# Altium PCB ESC_type_4_000.PcbDoc (part 3 of 3)
Units mil, origin at the board's own origin, x right, y up, seen from the top; angles counter-clockwise.
Board outline 2362.34 x 2362.34 mil, 4 copper layers (Top Layer, Signal Layer 1, Signal Layer 2, Bottom Layer), stack 65.634 mil thick; 132 components, 95 nets, 493 pads, 625 vias.
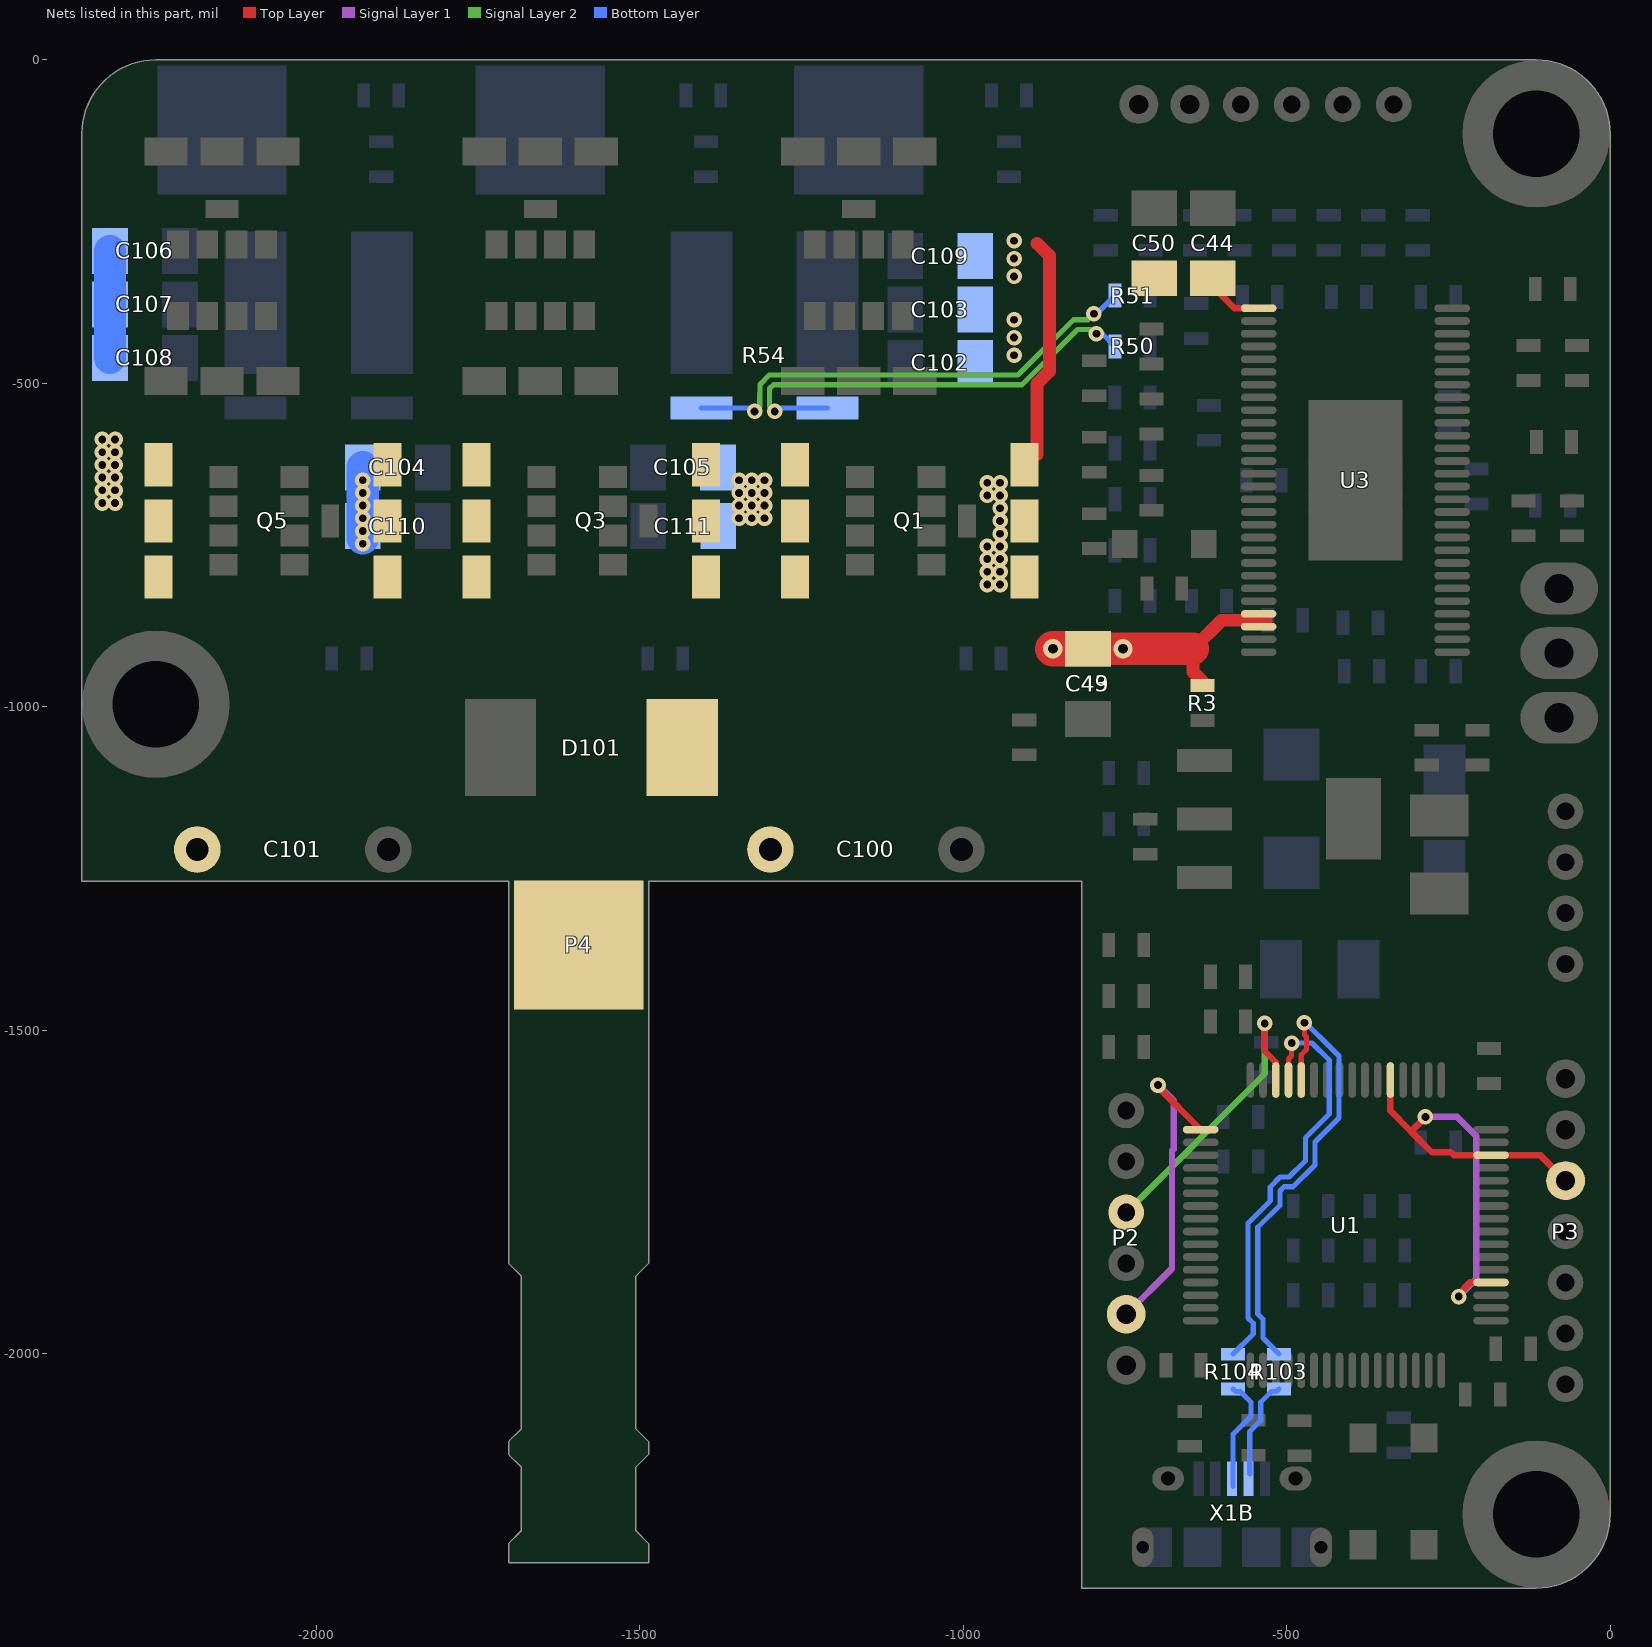
[diagram p5: the nets of this part, all layers, seen from the top]

## Via types
v1: diameter 24, hole 12, Top Layer to Bottom Layer, tented both sides, 613 vias
v2: diameter 30, hole 15, Top Layer to Bottom Layer, tented both sides, 10 vias
v3: diameter 50, hole 12, Top Layer to Bottom Layer, tented both sides, 2 vias

## Nets (pads, with @x,y where several pads share a name; then routed paths per layer and width w, separated by ;. In a path a pad name is that pad's centre, name@x,y a point inside that pad or via, vN(x,y) a via of type N, cw(c..) or ccw(c..) an arc to the next point about the centre after c; other vN are vias at no path point) (continued)
SH2_N: R51.2 R54.3 | length 735.5
  Signal Layer 2 w8: v1(-1322.34,-543.31) -1314.34,-535.31 -1314.34,-515.87 -1314.21,-515.75 -1314.21,-501.66 -1299.61,-487.06 -915.16,-487.06 -829.68,-401.57 -807.28,-401.57 v1(-797.93,-392.23)
  Bottom Layer w8: R54.3@-1404.72,-538.09 -1327.56,-538.09 v1(-1322.34,-543.31) ; v1(-797.93,-392.23) -793.24,-392.23 R51.2@-765.19,-364.17
SH2_P: R50.2 R54.4 | length 705.5
  Signal Layer 2 w8: v1(-1291.34,-543.31) -1299.21,-535.43 -1299.21,-507.87 -1293.39,-502.06 -908.94,-502.06 -823.46,-416.57 -800.61,-416.57 v1(-793.96,-423.23)
  Bottom Layer w8: v1(-1291.34,-543.31) -1286.12,-538.09 R54.4@-1209.45,-538.09 ; v1(-793.96,-423.23) -784.87,-423.23 R50.2@-765.19,-442.91
SWCLK: P2.2 U1.49 | length 490.8
  Top Layer w10: v1(-698.82,-1584.65) -698.82,-1587.6 U1.49@-632.87,-1653.54
  Signal Layer 1 w10: P2.2@-748.03,-1938.98 -677.18,-1868.12 -677.18,-1686.25 -674.82,-1683.89 -674.82,-1608.65 v1(-698.82,-1584.65)
SWDIO: P2.4 U1.46 | length 475.2
  Top Layer w10: v1(-533.7,-1489.43) -533.7,-1532.51 -516.73,-1549.48 U1.46@-516.73,-1576.77
  Signal Layer 2 w10: P2.4@-748.03,-1781.5 -533.7,-1567.17 v1(-533.7,-1489.43)
TX_SDA_NSS: P3.5 U1.20 U1.30 U1.37 | length 803.1
  Top Layer w10: U1.37@-339.57,-1576.77 -339.57,-1624.52 -310.55,-1653.54 ; v1(-285.43,-1633.86) -307.83,-1656.26 -275.49,-1688.6 -245.96,-1688.6 -241.65,-1692.91 U1.30@-184.06,-1692.91 -108.27,-1692.91 P3.5@-68.9,-1732.28 ; v1(-234.01,-1911.66) -234.01,-1907.24 -216.54,-1889.76 U1.20@-184.06,-1889.76
  Signal Layer 1 w10: v1(-285.43,-1633.86) -236.22,-1633.86 -206.69,-1663.39 -206.69,-1884.33 v1(-234.01,-1911.66)
USB_D_N: R103.2 U1.44 | length 698.8
  Top Layer w8: U1.44@-477.36,-1576.77 -477.36,-1537.83 -469.12,-1529.59 -469.12,-1510.16 -472.44,-1506.84 v1@-472.44,-1491.87
  Bottom Layer w8: R103.2@-511.81,-2000.56 -536.64,-1975.73 -536.64,-1946.67 -544.65,-1938.66 -544.65,-1804.5 -510.45,-1770.29 -510.45,-1748.4 -504,-1741.96 -489.99,-1741.96 -456.07,-1708.04 -456.07,-1672.61 -419.24,-1635.77 -419.24,-1539.74 -443.91,-1515.07 -456.01,-1502.96 -470.79,-1488.19 v1(-472.44,-1488.19)
USB_D_P: R104.2 U1.45 | length 658.9
  Top Layer w8: U1.45@-497.05,-1576.77 -497.05,-1544.29 -492.36,-1539.61 -492.36,-1531.61 -492.13,-1531.38 v1(-492.12,-1519.68)
  Bottom Layer w8: R104.2@-582.68,-2000.56 -551.64,-1969.52 -551.64,-1952.89 -559.65,-1944.87 -559.65,-1798.28 -525.45,-1764.08 -525.45,-1742.19 -510.22,-1726.96 -496.2,-1726.96 -471.07,-1701.83 -471.07,-1666.39 -434.24,-1629.56 -434.24,-1545.95 -460.57,-1519.62 -460.63,-1519.68 v1(-492.12,-1519.68)
USB_N: R103.1 X1B.2 | length 154.8
  Bottom Layer w8: X1B.2@-557.09,-2185.93 -557.09,-2120.08 -540.12,-2103.11 -540.12,-2074.8 -523.87,-2058.56 -515.81,-2058.56 R103.1@-511.81,-2054.56
USB_P: R104.1 X1B.3 | length 177.3
  Bottom Layer w8: X1B.3@-582.68,-2204.72 -582.68,-2124.46 -555.12,-2096.9 -555.12,-2074.8 -571.36,-2058.56 -578.68,-2058.56 R104.1@-582.68,-2054.56
VBATT: C43.2 C44.2 C49.1 C50.1 C100.1 C101.1 C102.1 C103.1 C104.1 C105.1 C106.1 C107.1 C108.1 C109.1 C110.1 C111.1 D101.K P4.1 Q1.D Q3.D Q5.D R3.2 U3.29 U3.53 U3.54 | length 1207.1
  Top Layer w10: C44.2@-625,-334.65 -625,-339.57 -580.71,-383.86 U3.29@-543.31,-383.86
  Top Layer w20: Q1.D@-885.83,-610.24 -885.83,-500.42 -866.86,-481.45 -866.86,-302.43 -885.83,-283.46 ; R3.2@-629.92,-960.63 -644.69,-945.87 -644.69,-910.43 -600.39,-866.14 -531.5,-866.14
  Top Layer w50: C49.1@-779.53,-910.43 -644.69,-910.43
  Top Layer w55: v2(-861.22,-910.43) C49.1@-807.09,-910.43
  Bottom Layer w30: v2(-861.22,-910.43) C43.2@-807.09,-910.43 v2(-752.95,-910.43)
  Bottom Layer w50: C108.1@-2318.9,-460.63 C107.1@-2318.9,-377.95 C106.1@-2318.9,-295.28 ; C110.1@-1928.15,-739.17 v1(-1928.15,-728.35) C110.1@-1928.15,-720.47 v1(-1928.15,-708.66) v1(-1928.15,-688.98) v1(-1928.15,-669.29) v1(-1928.15,-649.61) C104.1@-1928.15,-629.92
  other v1: -962.6,-811.02 -942.91,-811.02 -962.6,-791.34 -942.91,-791.34 -962.6,-771.65 -942.91,-771.65 -962.6,-751.97 -942.91,-751.97 -1928.15,-748.03 -942.91,-732.28 -942.91,-712.6 -1346.46,-708.66 -1326.77,-708.66 -1307.09,-708.66 -942.91,-692.91 -1346.46,-688.98 -1326.77,-688.98 -1307.09,-688.98 -2330.71,-685.04 -2311.02,-685.04 -962.6,-673.23 -942.91,-673.23 -1346.46,-669.29 -1326.77,-669.29 -1307.09,-669.29 -2330.71,-665.35 -2311.02,-665.35 -962.6,-653.54 -942.91,-653.54 -1346.46,-649.61 -1326.77,-649.61 -1307.09,-649.61 -2330.71,-645.67 -2311.02,-645.67 -2330.71,-625.98 -2311.02,-625.98 -2330.71,-606.3 -2311.02,-606.3 -2330.71,-586.61 -2311.02,-586.61 -921.26,-456.69 -921.26,-429.13 -921.26,-401.57 -921.26,-334.65 -921.26,-307.09 -921.26,-279.53
pads on no net: M1.1 M2.1 M3.1 P2.6 U1.2 U1.3 U1.4 U1.9 U1.11 U1.28 U1.39 U1.40 U1.50 U1.54 U1.55 U1.56 U3.4 U3.5 U3.55 U3.56 X1B.4

## Polygon pours and split planes (outlines as drawn)
VBATT on Top Layer "VBATT BOT" (solid, remove dead copper, pour order 82): -2350.39,-559.06 -2350.39,-1275.59 -2338.58,-1287.4 -1716.54,-1287.4 -1716.54,-1503.94 -1712.6,-1507.87 -1708.66,-1511.81 -1381.89,-1511.81 -1088.58,-1511.81 -846.46,-1269.68 -846.46,-610.24 -897.64,-559.06
GND on Top Layer "GND_L01_P042" (solid, remove dead copper, pour order 78): 0,0 0,-2362.2 -818.9,-2362.2 -818.9,0
H1_VS on Top Layer "VBATT BOT" (solid, pour order 81): -1358.27,-7.87 -1358.27,-236.22 -1358.27,-562.99 -1248.03,-562.99 -1220.47,-590.55 -1220.47,-826.77 -984.25,-826.77 -984.25,-511.81 -984.25,-177.17 -1003.94,-157.48 -1015.75,-145.67 -1015.75,-7.87
VBATT on Top Layer "Top Layer-No Net" (solid, pour order 107): -515.75,-850.39 -515.75,-881.89 -578.74,-881.89 -610.24,-913.39 -610.24,-980.31 -732.28,-980.31 -779.53,-933.07 -779.53,-850.39
H2_VS on Top Layer "VBATT BOT" (solid, pour order 73): -1370.08,-7.87 -1925.2,-7.87 -1925.2,-511.81 -1925.2,-559.06 -1716.54,-559.06 -1716.54,-807.09 -1503.94,-807.09 -1503.94,-637.79 -1425.2,-559.06 -1370.08,-559.06
NetC102_2 on Top Layer "NETC106_2_L01_P002" (solid, remove dead copper, pour order 75): -1248.03,-259.84 -1251.97,-259.84 -1251.97,-464.57 -1070.87,-464.57 -1070.87,-259.84 -1074.8,-259.84
NetC106_2 on Top Layer "NETC106_2_L01_P002" (solid, remove dead copper, pour order 74): -2232.28,-259.84 -2236.22,-259.84 -2236.22,-464.57 -2055.12,-464.57 -2055.12,-259.84 -2059.06,-259.84
H3_VS on Top Layer "VBATT BOT" (solid, remove dead copper, pour order 80): -1968.5,-19.68 -1968.5,-807.09 -2145.67,-807.09 -2177.17,-807.09 -2177.17,-555.12 -2342.52,-555.12 -2350.39,-555.12 -2350.39,-102.36 -2433.1,-43.34 -2362.27,51.18 -2259.84,-11.81 -2118.11,-11.81 -1968.5,-11.81
GND on Bottom Layer "GND_L04_P038" (solid, remove dead copper, pour order 76): 0,0 0,-2362.2 -818.9,-2362.2 -818.9,0
H1_VS on Bottom Layer "VBATT BOT" (solid, pour order 71): -984.25,-7.87 -1338.58,-7.87 -1338.58,-244.09 -1338.58,-248.03 -1161.42,-248.03 -984.25,-248.03 -984.25,-244.09
H2_VS on Bottom Layer "VBATT BOT" (solid, pour order 72): -1476.38,-7.87 -1830.71,-7.87 -1830.71,-244.09 -1830.71,-248.03 -1653.54,-248.03 -1476.38,-248.03 -1476.38,-244.09
GND on Bottom Layer "VBATT BOT" (solid, remove dead copper, pour order 87): -1354.33,-259.84 -1948.82,-259.84 -1948.82,-484.25 -1948.82,-511.81 -1870.08,-511.81 -1870.08,-960.63 -2389.76,-960.63 -2409.45,-980.31 -2421.26,-992.13 -2421.26,-1299.21 -2003.94,-1299.21 -1755.91,-1547.24 -1736.22,-1527.56 -929.13,-1527.56 -929.13,-1354.33 -846.46,-1271.65 -846.46,-992.13 -1020.36,-992.13 -1035.43,-977.05 -1354.33,-977.05
H3_VS on Bottom Layer "VBATT BOT" (solid, remove dead copper, pour order 84): -1968.5,-7.87 -2255.91,-7.87 -2442.1,54.15 -2350.39,-948.82 -1968.5,-948.82 -1968.5,-681.1 -1968.5,-255.91
H1_VS on Bottom Layer "VBATT BOT" (solid, pour order 91): -984.25,-198.64 -984.25,-940.94 -1338.58,-940.94 -1338.58,-194.71
VBATT on Signal Layer 2 "VBATT_L03_P103" (solid, remove dead copper, pour order 103): -2350.39,-1259.84 -2350.39,-637.8 -826.77,-637.8 -830.71,-641.73 -830.71,-1259.84
GND on Signal Layer 2 "GND_L03_P040" (solid, remove dead copper, pour order 77): 0,0 0,-2362.2 -818.9,-2362.2 -818.9,0
H3_VS on Signal Layer 2 "H3_VS_L03_P097" (solid, remove dead copper, pour order 97): -2283.46,-255.91 -2106.3,-255.91 -2039.37,-188.98 -2039.37,-106.3 -2039.37,-19.68 -2244.09,-19.68 -2464.57,19.68 -2464.57,-137.79 -2346.46,-255.91
H3_VS on Signal Layer 2 "H3_VS_L03_P093" (solid, remove dead copper, pour order 93): -2346.46,-203.74 -1969.49,-203.74 -1969.5,-799.21 -2346.46,-799.21
GND on Signal Layer 1 "GND_L02_P044" (solid, remove dead copper, pour order 79): 0,0 0,-2362.2 -818.9,-2362.2 -818.9,0
H1_VS on Signal Layer 1 "Bottom Layer-No Net" (solid, remove dead copper, pour order 105): -1330.71,-291.34 -1003.94,-291.34 -1003.94,-507.87 -1007.87,-511.81 -1330.71,-511.81
H3_VS on Signal Layer 1 "H3_VS_L02_P095" (solid, remove dead copper, pour order 95): -2346.46,-255.91 -2244.09,-255.91 -2244.09,-484.25 -2240.16,-488.19 -2051.18,-488.19 -2051.18,-799.21 -2346.46,-799.21
H3_VS on Signal Layer 1 "H3_VS_L02_P099" (solid, remove dead copper, pour order 99): -2283.46,-255.91 -2106.3,-255.91 -2039.37,-188.98 -2039.37,-106.3 -2039.37,-19.68 -2244.09,-19.68 -2407.48,45.28 -2472.44,-106.3 -2346.46,-255.91
GND on Signal Layer 1 "GND_L02_P101" (solid, remove dead copper, pour order 101): -2126.97,-1259.84 -925.2,-1259.84 -925.2,-912.4 -1370.08,-912.4 -1370.08,-310.04 -2126.97,-310.04

## Keep-outs
Keep-Out Layer:
  lines w7: -2362.21,-114.17 -2362.21,-1269.68 -1702.76,-1269.68 ; -2248.03,0 -114.24,0 ; -1486.22,-1269.68 -816.93,-1269.68 -816.93,-2362.2 -114.17,-2362.2 ; 0,-2248.03 0,-114.17
  lines w7.01: -2362.27,-114.17 cw(c-2248.03,-114.17) -2248.03,0.07 ; -1702.76,-1269.68 -1702.76,-1860.24 -1683.07,-1879.92 -1683.07,-2116.14 ; -1486.22,-1269.68 -1486.22,-1860.24 -1505.91,-1879.92 -1505.91,-2116.14 -1486.22,-2135.83 -1486.22,-2155.51 -1505.91,-2175.2 -1505.91,-2273.62 -1486.22,-2293.31 -1486.22,-2322.83 -1702.76,-2322.83 -1702.76,-2293.31 -1683.07,-2273.62 -1683.07,-2175.2 -1702.76,-2155.51 -1702.76,-2135.83 -1683.07,-2116.14 ; -114.24,0.07 cw(c-114.24,-114.17) 0,-114.17 ; -114.17,-2362.27 ccw(c-114.17,-2248.03) 0.07,-2248.03 ; -1683.07,-2116.14 -1683.07,-2116.14

## Other copper
Top Layer:
  rectangle net GND: -449.81,-783.62 -366.14,-767.72
  rectangle net GND: -464.57,-531.5 -322.83,-511.81
  rectangle net GND: -755.91,-271.65 -566.93,-188.98
  rectangle net VBATT: -940.94,-370.08 -740.16,-299.21
  rectangle net VBATT: -744.09,-389.76 -511.81,-299.21
  rectangle net GND: -1755.91,-464.57 -1551.18,-255.91
  rectangle net VBATT: -977.11,-559.06 -874.02,-259.84
Signal Layer 1:
  rectangle net H3_VS: -2244.09,-133.86 -1964.57,-19.68
  rectangle net H2_VS: -1870.08,-169.29 -1500,-19.68
  rectangle net H1_VS: -1374.02,-157.48 -1003.94,-19.68
  rectangle net H1_VS: -1043.31,-472.44 -1019.69,-322.83
  rectangle net NetC102_2: -1251.97,-464.57 -1070.87,-417.32
  rectangle net NetC102_2: -1251.97,-374.02 -1070.87,-307.09
  rectangle net H1_VS: -1330.71,-472.44 -1287.4,-291.34
  rectangle net GND: -1755.91,-464.57 -1551.18,-417.32
  rectangle net GND: -1755.91,-374.02 -1551.18,-311.02
  rectangle net NetC106_2: -2236.22,-374.02 -2055.12,-311.02
  rectangle net NetC106_2: -2236.22,-464.57 -2055.12,-417.32
  rectangle net H1_VS: -1031.5,-633.86 -988.19,-570.87
  rectangle net VBATT: -1358.27,-720.47 -1295.28,-637.8
  rectangle net H3_VS: -2118.11,-799.21 -2055.12,-657.48
  rectangle net NetC106_2: -2236.22,-464.57 -2055.12,-311.02
  rectangle net GND: -1771.65,-464.57 -1515.75,-311.02
  rectangle net NetC102_2: -1251.97,-464.57 -1070.87,-307.09
  rectangle net VBATT: -976.38,-862.2 -905.51,-661.42
  rectangle net VBATT: -976.38,-661.42 -925.2,-641.73
  rectangle net VBATT: -2342.52,-696.85 -2299.21,-574.8
  rectangle net H1_VS: -1133.86,-811.02 -1015.75,-570.87
  rectangle net H1_VS: -1133.86,-751.97 -988.19,-570.87
Signal Layer 2:
  rectangle net H3_VS: -2244.09,-208.66 -1968.5,-19.68
  rectangle net H2_VS: -1791.34,-129.92 -1535.43,-19.68
  rectangle net H1_VS: -1263.78,-122.05 -1003.94,-19.68
  rectangle net H1_VS: -1043.31,-472.44 -1000,-389.76
  rectangle net NetC102_2: -1251.97,-464.57 -1070.87,-417.32
  rectangle net NetC102_2: -1251.97,-374.02 -1070.87,-307.09
  rectangle net H1_VS: -1338.58,-472.44 -1267.72,-291.34
  rectangle net GND: -1755.91,-464.57 -1551.18,-417.32
  rectangle net GND: -1755.91,-374.02 -1551.18,-311.02
  rectangle net NetC106_2: -2236.22,-374.02 -2055.12,-311.02
  rectangle net NetC106_2: -2236.22,-464.57 -2055.12,-417.32
  rectangle net VBATT: -1358.27,-720.47 -1295.28,-637.8
  rectangle net H3_VS: -2118.11,-799.21 -2055.12,-657.48
  rectangle net NetC106_2: -2236.22,-464.57 -2055.12,-311.02
  rectangle net GND: -1948.82,-523.62 -1377.95,-255.91
  rectangle net NetC102_2: -1251.97,-464.57 -1070.87,-307.09
  rectangle net VBATT: -2350.39,-829.72 -2303.34,-578.93
  rectangle net H1_VS: -1137.59,-803.15 -1015.75,-570.87
  rectangle net H1_VS: -1137.59,-736.22 -988.19,-570.87
Bottom Layer:
  rectangle net GND: -852.72,-1092.52 -807.09,-992.13
  rectangle net VBATT: -1958.66,-895.67 -1889.76,-590.55
  rectangle net GND: -818.9,-1062.99 -751.97,-981.13
  rectangle net VBATT: -1417.32,-755.91 -1350.39,-720.47
  rectangle net VBATT: -1417.32,-720.47 -1295.28,-570.87
  region net NetC102_2: -1066.93,-266.34 -1255.91,-266.34 -1255.91,-490.75 -1066.93,-490.75
  rectangle net NetC102_2: -1131.15,-507.87 -1066.93,-267.72
  rectangle net NetC106_2: -2236.22,-484.25 -2047.24,-259.84
  rectangle net GND: -1863.19,-773.62 -1777.56,-576.77
  rectangle net GND: -1532.48,-771.65 -1445.87,-576.77
  rectangle net GND: -1850.39,-484.25 -1452.76,-255.91
  rectangle net VBATT: -2350.39,-704.72 -2287.4,-255.91
  rectangle net NetC106_2: -2236.22,-500 -2181.1,-271.65
  rectangle net VBATT: -1011.81,-503.94 -893.7,-267.72
  rectangle net VBATT: -975.39,-866.14 -893.7,-503.94

## Silkscreen, mask and mechanical layers (free items; w line width, h text height)
Top Overlay:
  circle w10: c-244.09,-944.88 r10.65
  rectangle: -2185.04,-602.36 -1960.63,-555.12
  rectangle: -1720.47,-604.33 -1429.13,-557.09
  rectangle: -1240.16,-602.36 -976.38,-555.12
  text "5V" at -748.03,-137.8 h20
  text "Temp" at -688.97,-137.79 h20
  text "H1" at -580.7,-137.79 h20
  text "H2" at -511.81,-137.79 h20
  text "H3" at -433.07,-137.79 h20
  text "GND" at -364.17,-137.79 h20
  text "GND" at -98.43,-1086.61 h20
  text "5V" at -11.81,-1177.17 h20 r90
  text "+ + + + +" at -1775.59,-1251.97 h40
  text "CANH" at -10.83,-1272.64 h20 r90
  text "CANL" at -15.75,-1350.39 h20 r90
  text "GND" at -15.75,-1423.23 h20 r90
  text "ADC2" at -11.81,-1598.43 h20 r90
  text "RST" at -803.14,-1665.35 h20 r270
  text "RX" at -11.81,-1673.23 h20 r90
  text "DIO" at -803.14,-1744.09 h20 r270
  text "TX" at -11.81,-1755.91 h20 r90
  text "GND" at -803.14,-1832.67 h20 r270
  text "ADC" at -11.81,-1834.65 h20 r90
  text "CLK" at -803.14,-1911.41 h20 r270
  text "GND" at -11.81,-1913.39 h20 r90
  text "3V3" at -803.14,-1990.15 h20 r270
  text "3V3" at -11.81,-2000 h20 r90
  text "5V" at -11.81,-2070.87 h20 r90
  text "POSITIVE" at -1574.8,-2165.35 h60 r90
Bottom Overlay:
  lines w10: -286.5,-1186.18 -227.44,-1186.18 ; -256.97,-1186.18 -286.5,-1156.65 -227.44,-1156.65 -256.97,-1186.18 ; -256.97,-1186.18 -256.97,-1186.18
  lines w19.68: -2255.91,-15.75 -2255.91,-220.47 -2035.43,-220.47 -2035.43,-15.75 ; -1763.78,-15.75 -1763.78,-220.47 -1543.31,-220.47 -1543.31,-15.75 ; -1271.65,-15.75 -1271.65,-220.47 -1051.18,-220.47 -1051.18,-15.75
  text "PWM" at -157.48,-787.4 h20 r90
  text "5V" at -157.48,-905.51 h20 r90
  text "GND" at -157.48,-984.25 h20 r90
  text "TM" at -1248.03,-1062.99 h20
  text "based on VESC  HW 4.12" at -992.13,-1078.74 h20
  text "NEG" at -1448.82,-1240.16 h60 r315
  text "- - - - - -" at -1704.72,-1263.78 h20
  text "ADC2" at -118.11,-1535.43 h20 r90
  text "RX" at -118.11,-1633.86 h20 r90
  text "TX" at -118.11,-1712.6 h20 r90
  text "RST" at -701,-1718.97 h20 r270
  text "NEGATIVE" at -1574.8,-1732.28 h60 r90
  text "ADC" at -118.11,-1791.34 h20 r90
  text "DIO" at -701,-1797.71 h20 r270
  text "GND" at -118.11,-1870.08 h20 r90
  text "GND" at -701,-1886.29 h20 r270
  text "3V3" at -118.11,-1948.82 h20 r90
  text "CLK" at -701,-1965.03 h20 r270
  text "5V" at -118.11,-2027.56 h20 r90
  text "3V3" at -701,-2043.77 h20 r270
Bottom Paste:
  rectangle: -1677.17,-1252.95 -1637.8,-1213.58
  rectangle: -1629.92,-1252.95 -1590.55,-1213.58
  rectangle: -1582.68,-1252.95 -1543.31,-1213.58
  rectangle: -1695.87,-1201.77 -1656.5,-1162.4
  rectangle: -1648.62,-1201.77 -1609.25,-1162.4
  rectangle: -1601.38,-1201.77 -1562.01,-1162.4
  rectangle: -1711.61,-1155.51 -1672.24,-1116.14
  rectangle: -1664.37,-1155.51 -1625,-1116.14
  rectangle: -1617.13,-1155.51 -1577.76,-1116.14
  rectangle: -1718.5,-367.13 -1679.13,-327.76
  rectangle: -1671.26,-367.13 -1631.89,-327.76
  rectangle: -1624.02,-367.13 -1584.65,-327.76
  rectangle: -1718.5,-416.34 -1679.13,-376.97
  rectangle: -1671.26,-416.34 -1631.89,-376.97
  rectangle: -1624.02,-416.34 -1584.65,-376.97
  rectangle: -1718.5,-465.55 -1679.13,-426.18
  rectangle: -1671.26,-465.55 -1631.89,-426.18
  rectangle: -1624.02,-465.55 -1584.65,-426.18
  rectangle: -1718.5,-514.76 -1679.13,-475.39
  rectangle: -1671.26,-514.76 -1631.89,-475.39
  rectangle: -1624.02,-514.76 -1584.65,-475.39
  rectangle: -1718.5,-563.98 -1679.13,-524.61
  rectangle: -1671.26,-563.98 -1631.89,-524.61
  rectangle: -1624.02,-563.98 -1584.65,-524.61
  rectangle: -1718.5,-613.19 -1679.13,-573.82
  rectangle: -1671.26,-613.19 -1631.89,-573.82
  rectangle: -1624.02,-613.19 -1584.65,-573.82
  rectangle: -1718.5,-662.4 -1679.13,-623.03
  rectangle: -1671.26,-662.4 -1631.89,-623.03
  rectangle: -1624.02,-662.4 -1584.65,-623.03
  rectangle: -1718.5,-711.61 -1679.13,-672.24
  rectangle: -1671.26,-711.61 -1631.89,-672.24
  rectangle: -1624.02,-711.61 -1584.65,-672.24
  rectangle: -1718.5,-760.83 -1679.13,-721.46
  rectangle: -1671.26,-760.83 -1631.89,-721.46
  rectangle: -1624.02,-760.83 -1584.65,-721.46
  rectangle: -1718.5,-810.04 -1679.13,-770.67
  rectangle: -1671.26,-810.04 -1631.89,-770.67
  rectangle: -1624.02,-810.04 -1584.65,-770.67
  rectangle: -1718.5,-859.25 -1679.13,-819.88
  rectangle: -1671.26,-859.25 -1631.89,-819.88
  rectangle: -1624.02,-859.25 -1584.65,-819.88
  rectangle: -1718.5,-908.46 -1679.13,-869.09
  rectangle: -1671.26,-908.46 -1631.89,-869.09
  rectangle: -1624.02,-908.46 -1584.65,-869.09
  rectangle: -1718.5,-957.68 -1679.13,-918.31
  rectangle: -1671.26,-957.68 -1631.89,-918.31
  rectangle: -1624.02,-957.68 -1584.65,-918.31
  rectangle: -1718.5,-1006.89 -1679.13,-967.52
  rectangle: -1671.26,-1006.89 -1631.89,-967.52
  rectangle: -1624.02,-1006.89 -1584.65,-967.52
  rectangle: -1624.02,-1056.1 -1584.65,-1016.73
  rectangle: -1671.26,-1056.1 -1631.89,-1016.73
  rectangle: -1718.5,-1056.1 -1679.13,-1016.73
  rectangle: -1718.5,-1105.31 -1679.13,-1065.94
  rectangle: -1671.26,-1105.31 -1631.89,-1065.94
  rectangle: -1624.02,-1105.31 -1584.65,-1065.94
  region: -480.3,-2180.76 cw(c-480.66,-2192.91) -480.3,-2205.07 -491.77,-2205.07 -491.77,-2212.6 -480.32,-2212.6 ccw(c-480.32,-2192.91) -480.32,-2173.23 -491.78,-2173.23 -491.78,-2180.76
  region: -688.99,-2205.07 cw(c-688.63,-2192.91) -688.99,-2180.76 -677.52,-2180.76 -677.52,-2173.23 -688.98,-2173.23 ccw(c-688.98,-2192.91) -688.98,-2212.6 -677.51,-2212.6 -677.51,-2205.07
  lines w2: -677.51,-2205.07 -688.99,-2205.07 cw(c-688.63,-2192.91) -688.99,-2180.76 -677.52,-2180.76 ; -491.77,-2205.07 -480.3,-2205.07 ccw(c-480.66,-2192.91) -480.3,-2180.76 -491.78,-2180.76
Bottom Solder:
  rectangle: -1728.35,-1106.3 -1574.8,-303.15
  region: -1696.85,-1267.72 -1728.35,-1106.3 -1574.8,-1106.3 -1492.13,-1267.72
Board outline:
  lines w7: -2362.21,-114.17 -2362.21,-1269.68 -1702.76,-1269.68 ; -2248.03,0 -114.24,0 ; -1486.22,-1269.68 -816.93,-1269.68 -816.93,-2362.2 -114.17,-2362.2 ; 0,-2248.03 0,-114.17
  lines w7.01: -2362.27,-114.17 cw(c-2248.03,-114.17) -2248.03,0.07 ; -1702.76,-1269.68 -1702.76,-1860.24 -1683.07,-1879.92 -1683.07,-2116.14 ; -1486.22,-1269.68 -1486.22,-1860.24 -1505.91,-1879.92 -1505.91,-2116.14 -1486.22,-2135.83 -1486.22,-2155.51 -1505.91,-2175.2 -1505.91,-2273.62 -1486.22,-2293.31 -1486.22,-2322.83 -1702.76,-2322.83 -1702.76,-2293.31 -1683.07,-2273.62 -1683.07,-2175.2 -1702.76,-2155.51 -1702.76,-2135.83 -1683.07,-2116.14 ; -114.24,0.07 cw(c-114.24,-114.17) 0,-114.17 ; -114.17,-2362.27 ccw(c-114.17,-2248.03) 0.07,-2248.03 ; -1683.07,-2116.14 -1683.07,-2116.14
Assy TOP:
  lines w10: -661.42,-767.72 -661.42,-728.35 ; -771.65,-775.59 -771.65,-720.47 -602.36,-720.47 -602.36,-775.59 -771.65,-775.59 ; -771.65,-381.89 -771.65,-287.4 -590.55,-287.4 -590.55,-381.89 -771.65,-381.89 ; -688.98,-763.78 -688.98,-736.22 -665.35,-748.03 -688.98,-763.78
  text "D4" at -748.03,-759.84 h19.68
Assy BOT:
  lines w10: -366.77,-2065.98 -286.77,-2185.98 -366.77,-2185.98 -286.77,-2065.98 ; -283.46,-1204.72 -232.28,-1204.72 ; -2362.2,-755.91 -2153.54,-755.91 -2153.54,-653.54 -2362.2,-653.54 -2362.2,-755.91 ; -2362.2,-665.35 -2153.54,-665.35 -2153.54,-562.99 -2362.2,-562.99 -2362.2,-665.35 ; -2251.97,-216.54 -2043.31,-216.54 -2043.31,-3.94 -2251.97,-3.94 -2251.97,-216.54 ; -2149.61,-570.87 -1838.58,-570.87 -1838.58,-259.84 -2149.61,-259.84 -2149.61,-570.87 ; -1972.44,-681.1 -1763.78,-681.1 -1763.78,-578.74 -1972.44,-578.74 -1972.44,-681.1 ; -1759.84,-216.54 -1551.18,-216.54 -1551.18,-3.94 -1759.84,-3.94 -1759.84,-216.54 ; -1702.76,-1476.38 -1702.76,-1269.68 -1486.22,-1269.68 -1486.22,-1476.38 -1702.76,-1476.38 ; -1531.5,-681.1 -1531.5,-578.74 -1322.83,-578.74 -1322.83,-681.1 -1531.5,-681.1 ; -1464.57,-570.87 -1464.57,-259.84 -1153.54,-259.84 -1153.54,-570.87 -1464.57,-570.87 ; -1267.72,-216.54 -1267.72,-3.94 -1059.06,-3.94 -1059.06,-216.54 -1267.72,-216.54 ; -1255.91,-744.09 -1047.24,-744.09 -1047.24,-641.73 -1255.91,-641.73 -1255.91,-744.09 ; -1255.91,-657.48 -1047.24,-657.48 -1047.24,-555.12 -1255.91,-555.12 -1255.91,-657.48 ; -787.4,-2350.39 -787.4,-2118.11 -381.89,-2118.11 -381.89,-2350.39 -787.4,-2350.39 ; -641.73,-1318.9 -641.73,-1019.68 -334.65,-1019.68 -334.65,-1318.9 -641.73,-1318.9 ; -299.21,-1299.21 -299.21,-1047.24 -212.6,-1047.24 -212.6,-1299.21 -299.21,-1299.21 ; -283.46,-1153.54 -228.35,-1153.54 -257.87,-1204.72 -283.46,-1153.54
  text "H3" at -2106.3,-185.04 h60
  text "H2" at -1614.17,-185.04 h60
  text "H1" at -1122.05,-185.04 h60
  text "R53" at -1913.39,-519.68 h60
  text "R54" at -1228.35,-519.68 h60
  text "C102" at -1062.99,-625.98 h47.24
  text "C106" at -2169.29,-633.86 h47.24
  text "C105" at -1779.53,-649.61 h47.24
  text "C105" at -1338.58,-649.61 h47.24
  text "C103" at -1062.99,-712.6 h47.24
  text "C107" at -2169.29,-724.41 h47.24
  text "D5" at -224.41,-1125.98 h39.37
  text "L1" at -448.82,-1204.72 h60
  text "GND" at -1515.75,-1405.51 h60
  text "X1B" at -496.06,-2267.72 h60
2D drawing 2:
  drawing of 652 lines, arcs and shapes, not listed
  text "Amass 3.5mm Bullet" at -2322.83,1811.02 h60 r90
  text "Amass 3.5mm Bullet" at -2322.83,1811.02 h60 r90
  text "BLDC MOTOR" at 1043.31,1437.01 h196.85
  text "BLDC MOTOR" at 1043.31,1437.01 h196.85
  text "optional motor sensor" at -433.07,688.98 h60 r270
  text "optional motor sensor" at -433.07,688.98 h60 r270
  text "JST-PH 2mm 6pin" at -49.21,364.17 h60
  text "JST-PH 2mm 6pin" at -49.21,364.17 h60
  text "5V0" at -764.76,50.99 h60 r270
  text "5V0" at -764.76,50.99 h60 r270
  text "TEMP" at -686.02,50.99 h60 r270
  text "TEMP" at -686.02,50.99 h60 r270
  text "H1" at -607.28,50.99 h60 r270
  text "H1" at -607.28,50.99 h60 r270
  text "H2" at -528.54,50.99 h60 r270
  text "H2" at -528.54,50.99 h60 r270
  text "H3" at -449.8,50.99 h60 r270
  text "H3" at -449.8,50.99 h60 r270
  text "GND" at -371.06,50.99 h60 r270
  text "GND" at -371.06,50.99 h60 r270
  text "CH1" at 1791.34,-620.08 h60 r90
  text "CH1" at 1791.34,-620.08 h60 r90
  text "3pin Servo 100mil header" at 1397.64,-708.66 h60
  text "3pin Servo 100mil header" at 1397.64,-708.66 h60
  text "PPM" at 2257.37,-833.66 h60
  text "PPM" at 2257.37,-833.66 h60
  text "PPM" at 187.01,-846.46 h60
  text "PPM" at 187.01,-846.46 h60
  text "white" at 841.04,-856.3 h29.53
  text "white" at 841.04,-856.3 h29.53
  text "red" at 850.88,-935.04 h29.53
  text "red" at 850.88,-935.04 h29.53
  text "5V0" at 2257.37,-951.77 h60
  text "5V0" at 2257.37,-951.77 h60
  text "5V0" at 187.01,-954.72 h60
  text "5V0" at 187.01,-954.72 h60
  text "black" at 850.88,-1023.62 h29.53
  text "black" at 850.88,-1023.62 h29.53
  text "GND" at 187.01,-1053.15 h60
  text "GND" at 187.01,-1053.15 h60
  text "GND" at 2257.37,-1069.88 h60
  text "GND" at 2257.37,-1069.88 h60
  text "5V0" at 209.2,-1197.83 h60
  text "5V0" at 209.2,-1197.83 h60
  text "use CH1" at 1899.61,-1220.47 h60
  text "use CH1" at 1899.61,-1220.47 h60
  text "CANH" at 269.19,-1276.57 h60
  text "CANH" at 269.19,-1276.57 h60
  text "JST-PH 2mm 4pin" at 1250,-1309.06 h60
  text "CANL" at 269.19,-1355.32 h60
  text "CANL" at 269.19,-1355.32 h60
  text "GND" at 209.2,-1434.06 h60
  text "GND" at 209.2,-1434.06 h60
  text "ADC2-MISO" at 543.08,-1621.06 h60
  text "ADC2-MISO" at 543.08,-1621.06 h60
  text "Rx-SCL-MOSI" at 653.04,-1699.8 h60
  text "Rx-SCL-MOSI" at 653.04,-1699.8 h60
  text "Tx-SDA-SS" at 553.08,-1778.54 h60
  text "Tx-SDA-SS" at 553.08,-1778.54 h60
  text "JST-PH 2mm 7pin" at 1624.02,-1840.55 h60
  text "SCK-ADC1" at 473.1,-1857.28 h60
  text "SCK-ADC1" at 473.1,-1857.28 h60
  text "GND" at 193.19,-1936.02 h60
  text "GND" at 193.19,-1936.02 h60
  text "3V3" at 193.19,-2014.76 h60
  text "3V3" at 193.19,-2014.76 h60
  text "5V0" at 193.19,-2093.5 h60
  text "5V0" at 193.19,-2093.5 h60
  text "micro USB" at -236.22,-2450.79 h60
  text "micro USB" at -236.22,-2450.79 h60
  text "XT60U Male" at -1742.13,-3494.09 h60
  text "XT60U Male" at -1742.13,-3494.09 h60
  text "Safety system" at -1111.22,-4724.41 h196.85
  text "Safety system" at -1111.22,-4724.41 h196.85
  text "Battery" at -1313.24,-5516.97 h196.85
  text "11.1V to 44.4V" at -1111.41,-5693.43 h196.85
  text "3-12S Li-ion" at -1171,-5844.21 h196.85
Pinout:
  circle w13.78: c-68.9,-2047.24 r19.68
  circle w13.78: c-68.9,-1968.5 r19.68
  circle w13.78: c-68.9,-1889.76 r19.68
  circle w13.78: c-68.9,-1811.02 r19.68
  circle w13.78: c-68.9,-1732.28 r19.68
  circle w13.78: c-68.9,-1653.54 r19.68
  circle w13.78: c-68.9,-1574.8 r19.68
  circle w13.78: c-68.9,-1397.64 r19.68
  circle w13.78: c-68.9,-1318.9 r19.68
  circle w13.78: c-68.9,-1240.16 r19.68
  circle w13.78: c-68.9,-1161.42 r19.68
  circle w13.78: c-78.74,-1016.93 r19.68
  circle w13.78: c-78.74,-916.93 r19.68
  circle w13.78: c-78.74,-816.93 r19.68
  circle w13.78: c-334.64,-68.89 r19.68
  circle w13.78: c-413.38,-68.89 r19.68
  circle w13.78: c-492.12,-68.89 r19.68
  circle w13.78: c-570.86,-68.89 r19.68
  circle w13.78: c-649.6,-68.89 r19.68
  circle w13.78: c-728.34,-68.89 r19.68
  circle w13.78: c-748.03,-2017.72 r19.68
  circle w13.78: c-748.03,-1938.98 r19.68
  circle w13.78: c-748.03,-1860.24 r19.68
  circle w13.78: c-748.03,-1781.5 r19.68
  circle w13.78: c-748.03,-1702.76 r19.68
  circle w13.78: c-748.03,-1624.02 r19.68
  lines w10: -2362.27,-114.17 cw(c-2248.03,-114.17) -2248.03,0.07 -2248.03,0 -114.24,0 -114.24,0.07 cw(c-114.24,-114.17) 0,-114.17 0,-2248.03 0.07,-2248.03 cw(c-114.17,-2248.03) -114.17,-2362.27 -114.17,-2362.2 -816.93,-2362.2 -816.93,-1269.68 -1486.22,-1269.68 -1486.22,-1476.38 -1702.76,-1476.38 -1702.76,-1269.68 -2362.21,-1269.68 -2362.21,-114.17 -2362.27,-114.17
  text "5V0" at -748.03,39.37 h60 r270
  text "TEMP" at -669.29,39.37 h60 r270
  text "H1" at -590.55,39.37 h60 r270
  text "H2" at -511.81,39.37 h60 r270
  text "H3" at -433.07,39.37 h60 r270
  text "GND" at -354.33,39.37 h60 r270
  text "PPM" at 196.85,-826.77 h60
  text "5V0" at 196.85,-944.88 h60
  text "GND" at 196.85,-1062.99 h60
  text "5V0" at 196.85,-1181.1 h60
  text "CANH" at 236.22,-1259.84 h60
  text "CANL" at 236.22,-1338.58 h60
  text "GND" at 196.85,-1417.32 h60
  text "ADC2-MISO" at 551.18,-1614.17 h60
  text "NC" at -866.14,-1653.54 h60
  text "Rx-SCL-MOSI" at 669.29,-1692.91 h60
  text "NRST" at -866.14,-1732.28 h60
  text "Tx-SDA-SS" at 551.18,-1771.65 h60
  text "SWDIO" at -866.14,-1811.02 h60
  text "SCK-ADC1" at 472.44,-1850.39 h60
  text "GND" at -866.14,-1889.76 h60
  text "GND" at 196.85,-1929.13 h60
  text "SWCLK" at -866.14,-1968.5 h60
  text "3V3" at 196.85,-2007.87 h60
  text "3V3" at -866.14,-2047.24 h60
  text "5V0" at 196.85,-2086.61 h60
2D drawing:
  drawing of 1164 lines, arcs and shapes, not listed
  text "Amass 3.5mm Bullet" at -6082.68,1860.24 h60 r90
  text "Amass 3.5mm Bullet" at -6082.68,1860.24 h60 r90
  text "Amass 3.5mm Bullet" at -2322.83,1811.02 h60 r90
  text "Amass 3.5mm Bullet" at -2322.83,1811.02 h60 r90
  text "BLDC MOTOR" at 1043.31,1437.01 h196.85
  text "BLDC MOTOR" at 1043.31,1437.01 h196.85
  text "BLDC MOTOR" at -2637.8,1397.64 h196.85
  text "BLDC MOTOR" at -2637.8,1397.64 h196.85
  text "optional motor sensor" at -433.07,688.98 h60 r270
  text "optional motor sensor" at -433.07,688.98 h60 r270
  text "optional motor sensor" at -4124.02,679.13 h60 r270
  text "optional motor sensor" at -4124.02,679.13 h60 r270
  text "JST-PH 2mm 6pin" at -49.21,364.17 h60
  text "JST-PH 2mm 6pin" at -49.21,364.17 h60
  text "JST-PH 2mm 6pin" at -3838.58,354.33 h60
  text "JST-PH 2mm 6pin" at -3838.58,354.33 h60
  text "5V0" at -764.76,50.99 h60 r270
  text "5V0" at -764.76,50.99 h60 r270
  text "TEMP" at -686.02,50.99 h60 r270
  text "TEMP" at -686.02,50.99 h60 r270
  text "H1" at -607.28,50.99 h60 r270
  text "H1" at -607.28,50.99 h60 r270
  text "H2" at -528.54,50.99 h60 r270
  text "H2" at -528.54,50.99 h60 r270
  text "H3" at -449.8,50.99 h60 r270
  text "H3" at -449.8,50.99 h60 r270
  text "GND" at -371.06,50.99 h60 r270
  text "GND" at -371.06,50.99 h60 r270
  text "5V0" at -4465.55,31.3 h60 r270
  text "5V0" at -4465.55,31.3 h60 r270
  text "TEMP" at -4386.81,31.3 h60 r270
  text "TEMP" at -4386.81,31.3 h60 r270
  text "H1" at -4308.07,31.3 h60 r270
  text "H1" at -4308.07,31.3 h60 r270
  text "H2" at -4229.33,31.3 h60 r270
  text "H2" at -4229.33,31.3 h60 r270
  text "H3" at -4150.59,31.3 h60 r270
  text "H3" at -4150.59,31.3 h60 r270
  text "GND" at -4071.85,31.3 h60 r270
  text "GND" at -4071.85,31.3 h60 r270
  text "SLAVE ID1" at -4881.89,-501.97 h196.85
  text "SLAVE ID1" at -4881.89,-501.97 h196.85
  text "MASTER ID0" at -1013.78,-531.5 h196.85
  text "MASTER ID0" at -1013.78,-531.5 h196.85
  text "CH1" at 1791.34,-620.08 h60 r90
  text "CH1" at 1791.34,-620.08 h60 r90
  text "3pin Servo 100mil header" at 1397.64,-708.66 h60
  text "3pin Servo 100mil header" at 1397.64,-708.66 h60
  text "PPM" at 2257.37,-833.66 h60
  text "PPM" at 2257.37,-833.66 h60
  text "PPM" at 187.01,-846.46 h60
  text "PPM" at 187.01,-846.46 h60
  text "white" at 841.04,-856.3 h29.53
  text "white" at 841.04,-856.3 h29.53
  text "red" at 850.88,-935.04 h29.53
  text "red" at 850.88,-935.04 h29.53
  text "5V0" at 2257.37,-951.77 h60
  text "5V0" at 2257.37,-951.77 h60
  text "5V0" at 187.01,-954.72 h60
  text "5V0" at 187.01,-954.72 h60
  text "black" at 850.88,-1023.62 h29.53
  text "black" at 850.88,-1023.62 h29.53
  text "GND" at 187.01,-1053.15 h60
  text "GND" at 187.01,-1053.15 h60
  text "GND" at 2257.37,-1069.88 h60
  text "GND" at 2257.37,-1069.88 h60
  text "CAN bus cable" at -2549.21,-1190.94 h60
  text "CAN bus cable" at -2549.21,-1190.94 h60
  text "5V0" at 209.2,-1197.83 h60
  text "5V0" at 209.2,-1197.83 h60
  text "use CH1" at 1899.61,-1220.47 h60
  text "use CH1" at 1899.61,-1220.47 h60
  text "CANH" at 269.19,-1276.57 h60
  text "CANH" at 269.19,-1276.57 h60
  text "JST-PH 2mm 4pin" at 1200.79,-1299.21 h60
  text "JST-PH 2mm 4pin" at 1200.79,-1299.21 h60
  text "CANL" at 269.19,-1355.32 h60
  text "CANL" at 269.19,-1355.32 h60
  text "GND" at 209.2,-1434.06 h60
  text "GND" at 209.2,-1434.06 h60
  text "ADC2-MISO" at 543.08,-1621.06 h60
  text "ADC2-MISO" at 543.08,-1621.06 h60
  text "Rx-SCL-MOSI" at 653.04,-1699.8 h60
  text "Rx-SCL-MOSI" at 653.04,-1699.8 h60
  text "Tx-SDA-SS" at 553.08,-1778.54 h60
  text "Tx-SDA-SS" at 553.08,-1778.54 h60
  text "BLUETOOTH" at 1722.28,-1833 h60
  text "SCK-ADC1" at 473.1,-1857.28 h60
  text "SCK-ADC1" at 473.1,-1857.28 h60
  text "MODULE" at 1632.31,-1928.98 h60
  text "GND" at 193.19,-1936.02 h60
  text "GND" at 193.19,-1936.02 h60
  text "BLUETOOTH / MODULE" at 1732.28,-1938.98 h60
  text "3V3" at 193.19,-2014.76 h60
  text "3V3" at 193.19,-2014.76 h60
  text "5V0" at 193.19,-2093.5 h60
  text "5V0" at 193.19,-2093.5 h60
  text "JST-PH 2mm 7pin" at 905.51,-2214.57 h60
  text "JST-PH 2mm 7pin" at 905.51,-2214.57 h60
  text "micro USB" at -236.22,-2450.79 h60
  text "micro USB" at -236.22,-2450.79 h60
  text "micro USB" at -3897.64,-2490.16 h60
  text "micro USB" at -3897.64,-2490.16 h60
  text "XT60U Male" at -5501.97,-3494.09 h60
  text "XT60U Male" at -5501.97,-3494.09 h60
  text "XT60U Male" at -1742.13,-3494.09 h60
  text "XT60U Male" at -1742.13,-3494.09 h60
  text "Safety system" at -4812.01,-4744.09 h196.85
  text "Safety system" at -4812.01,-4744.09 h196.85
  text "Battery" at -5014.03,-5536.66 h196.85
  text "Battery" at -5014.03,-5536.66 h196.85
  text "11.1V to 44.4V" at -4812.2,-5713.11 h196.85
  text "11.1V to 44.4V" at -4812.2,-5713.11 h196.85
  text "3-12S Li-ion" at -4871.79,-5863.89 h196.85
  text "3-12S Li-ion" at -4871.79,-5863.89 h196.85
Test Jig:
  circle w10: c-1161.42,-108.27 r50
  circle w10: c-1653.54,-108.27 r50
  circle w10: c-2145.67,-108.27 r50
  circle w10: c-2248.03,-996.06 r114.17
  circle w10: c-114.17,-114.17 r114.17
  circle w10: c-114.17,-2248.03 r114.17
  circle w10: c-78.74,-816.93 r39.37
  circle w10: c-78.74,-916.93 r39.37
  circle w10: c-78.74,-1016.93 r39.37
  circle w10: c-748.03,-1624.02 r30
  circle w10: c-748.03,-1702.76 r30
  circle w10: c-748.03,-1781.5 r30
  circle w10: c-748.03,-1860.24 r30
  circle w10: c-748.03,-1938.98 r30
  circle w10: c-748.03,-2017.72 r30
  circle w10: c-1318.9,-1092.52 r50
  circle w10: c-1870.08,-1092.52 r50
  lines w10: -114.17,-2248.03 153.54,-2488.19
  text "TOP VIEW mm" at -1295.28,338.58 h60
  text "MOT3" at -2248.03,-255.91 h60
  text "MOT2" at -1755.91,-255.91 h60
  text "MOT1" at -1263.78,-255.91 h60
  text "PWM" at 43.31,-851.18 h60
  text "5V0" at 43.31,-951.18 h60
  text "VBATT" at -1456.69,-980.31 h60
  text "GND" at -1944.88,-988.19 h60
  text "GND" at 43.31,-1051.18 h60
  text "NC" at -1051.18,-1657.48 h60
  text "NRST" at -1051.18,-1736.22 h60
  text "DIO" at -1051.18,-1814.96 h60
  text "GND" at -1051.18,-1893.7 h60
  text "CLK" at -1051.18,-1972.44 h60
  text "3V3" at -1051.18,-2051.18 h60
  text "0,0" at 188.98,-2547.24 h60

## Dimensions
-78.74,-1016.93 to -114.17,-2248.03 on Mechanical 16
-114.17,-2248.03 to -1161.42,-108.27 on Mechanical 16
-114.17,-2248.03 to -2145.67,-108.27 on Mechanical 16
-1653.54,-108.27 to -1161.42,-108.27 on Mechanical 16
-2145.67,-108.27 to -1653.54,-108.27 on Mechanical 16
-78.74,-1016.93 to -78.74,-916.93 on Mechanical 16
-114.17,-2248.03 to -78.74,-1016.93 on Mechanical 16
-114.17,-2248.03 to -748.03,-2017.72 on Mechanical 16
-748.03,-2017.72 to -748.03,-1938.98 on Mechanical 16
-114.17,-2248.03 to -748.03,-2017.72 on Mechanical 16
-114.17,-2248.03 to -2248.03,-996.06 on Mechanical 16
-114.17,-2248.03 to -2248.03,-996.06 on Mechanical 16
-114.17,-2248.03 to -114.17,-114.17 on Mechanical 16

## Text inside footprints (layer, text, board x,y; h text height)
C100: Bottom Overlay "+" at -1240.16,-1185.04 h60 r180; Bottom Overlay "-" at -944.88,-1185.04 h60 r180; Assy BOT "This side" at -1256.69,-1145.67 h25 r180
C101: Bottom Overlay "-" at -1834.65,-1181.1 h60 r180; Bottom Overlay "+" at -2129.92,-1188.98 h60 r180; Assy BOT "This side" at -2142.52,-1145.67 h25 r180
X1B: Mechanical 1 "edge" at -481.69,-2454.92 h60